# Altium PCB DK TT.PcbDoc
Units mil, origin at the board's own origin, x right, y up, seen from the top; angles counter-clockwise.
Board outline 3622.05 x 3425.2 mil, 2 copper layers (Top Layer, Bottom Layer); 114 components, 96 nets, 338 pads, 51 vias.
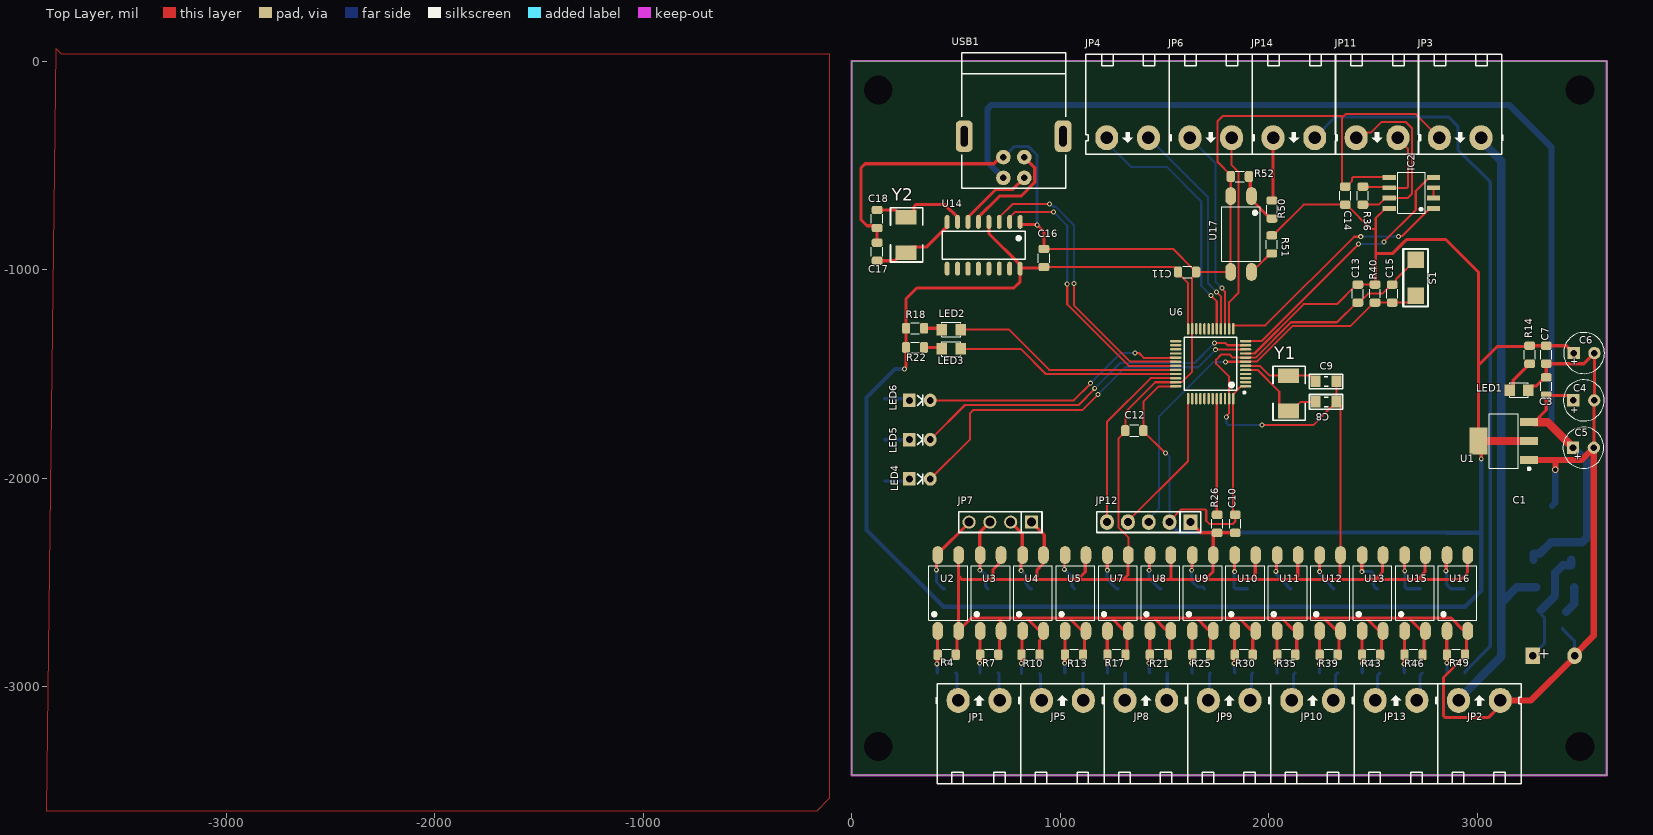
[diagram p0: Top Layer view]
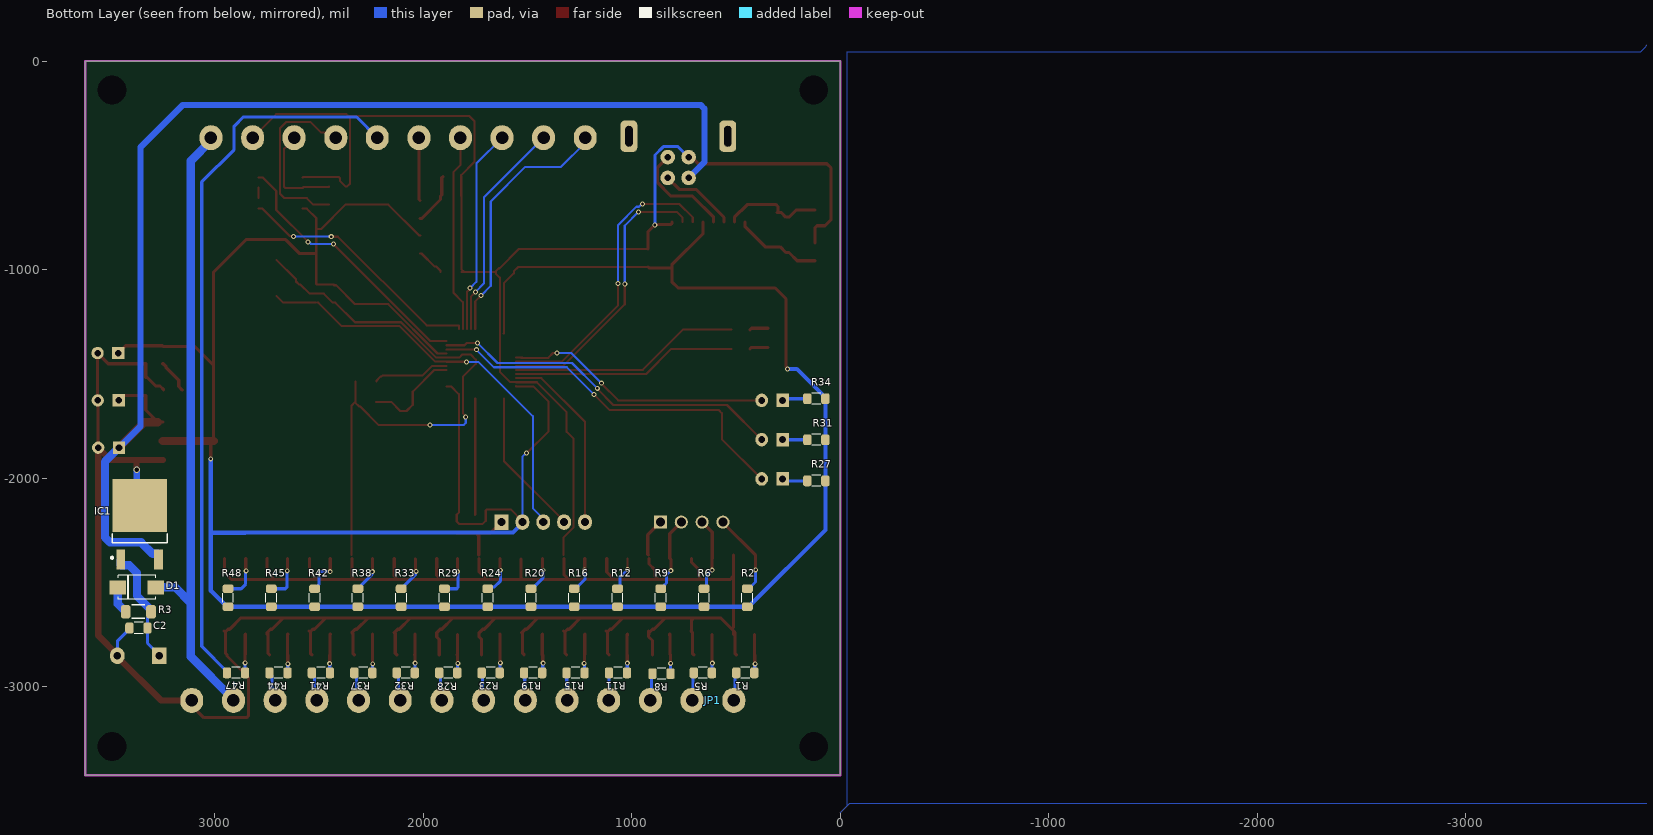
[diagram p1: Bottom Layer view, seen from below]
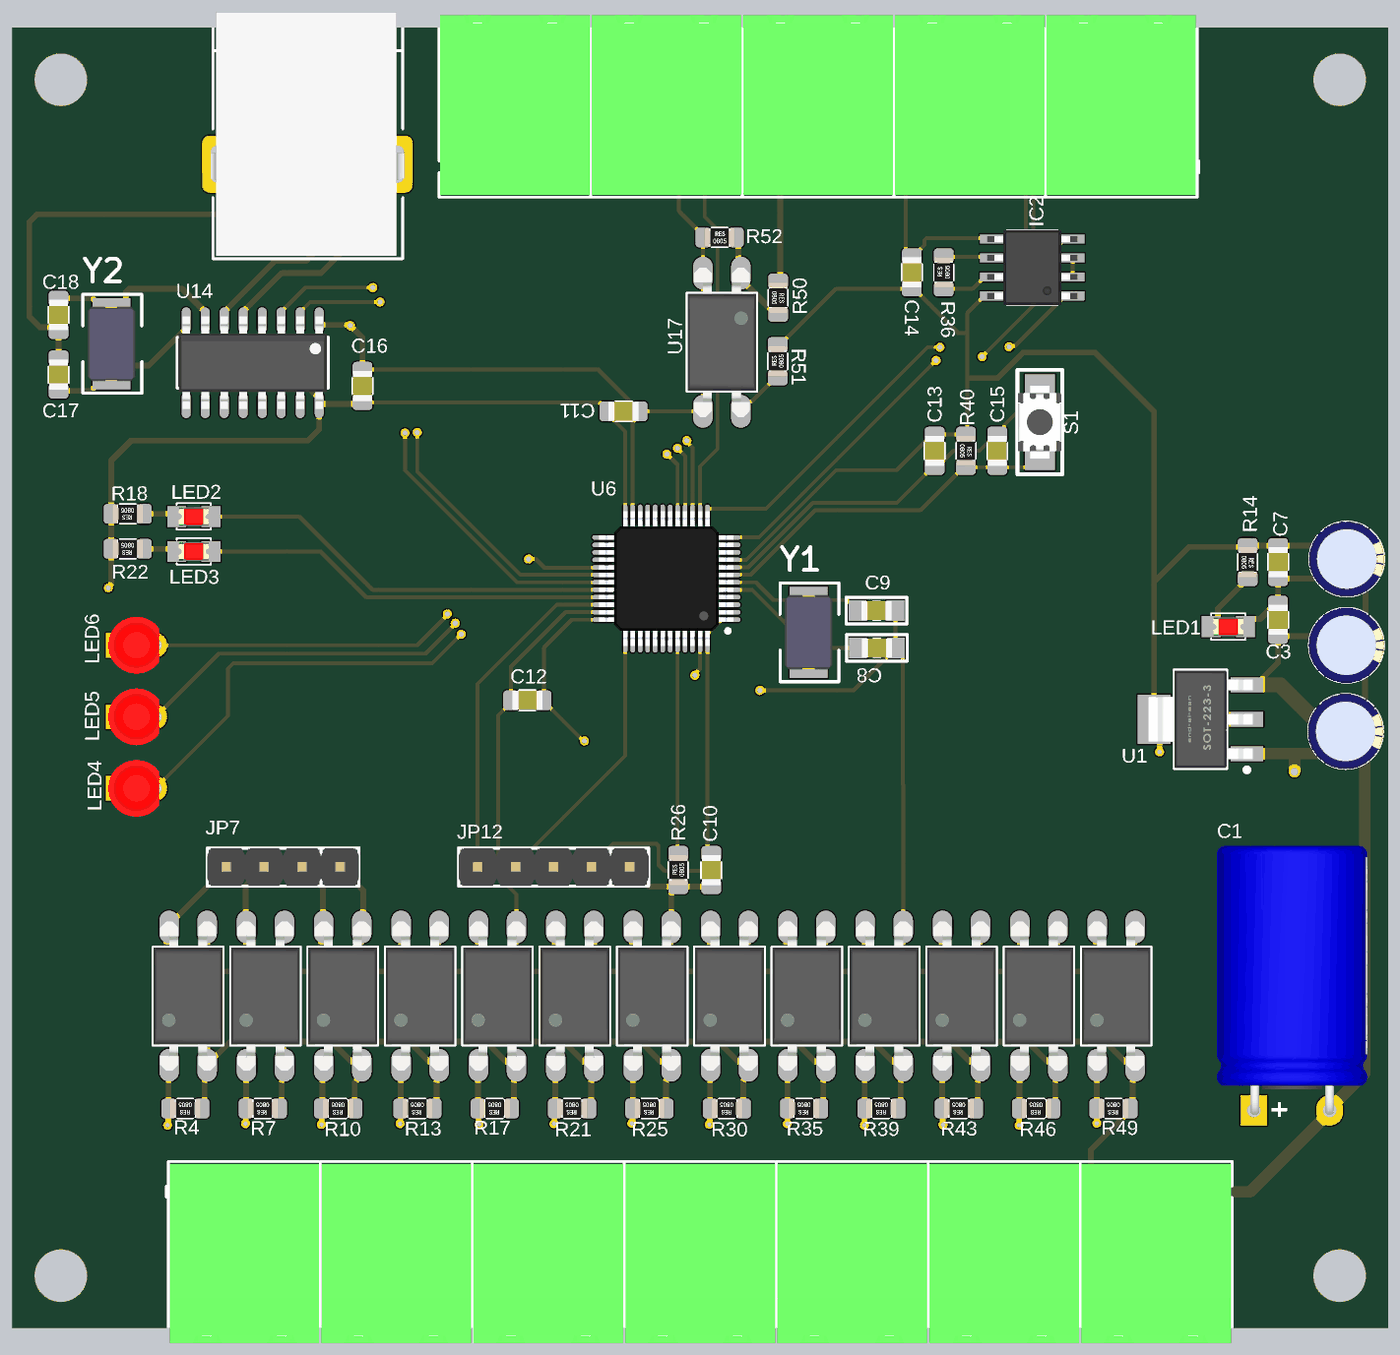
[diagram p2: 3D render of the assembled board from above, using the file's embedded part models]
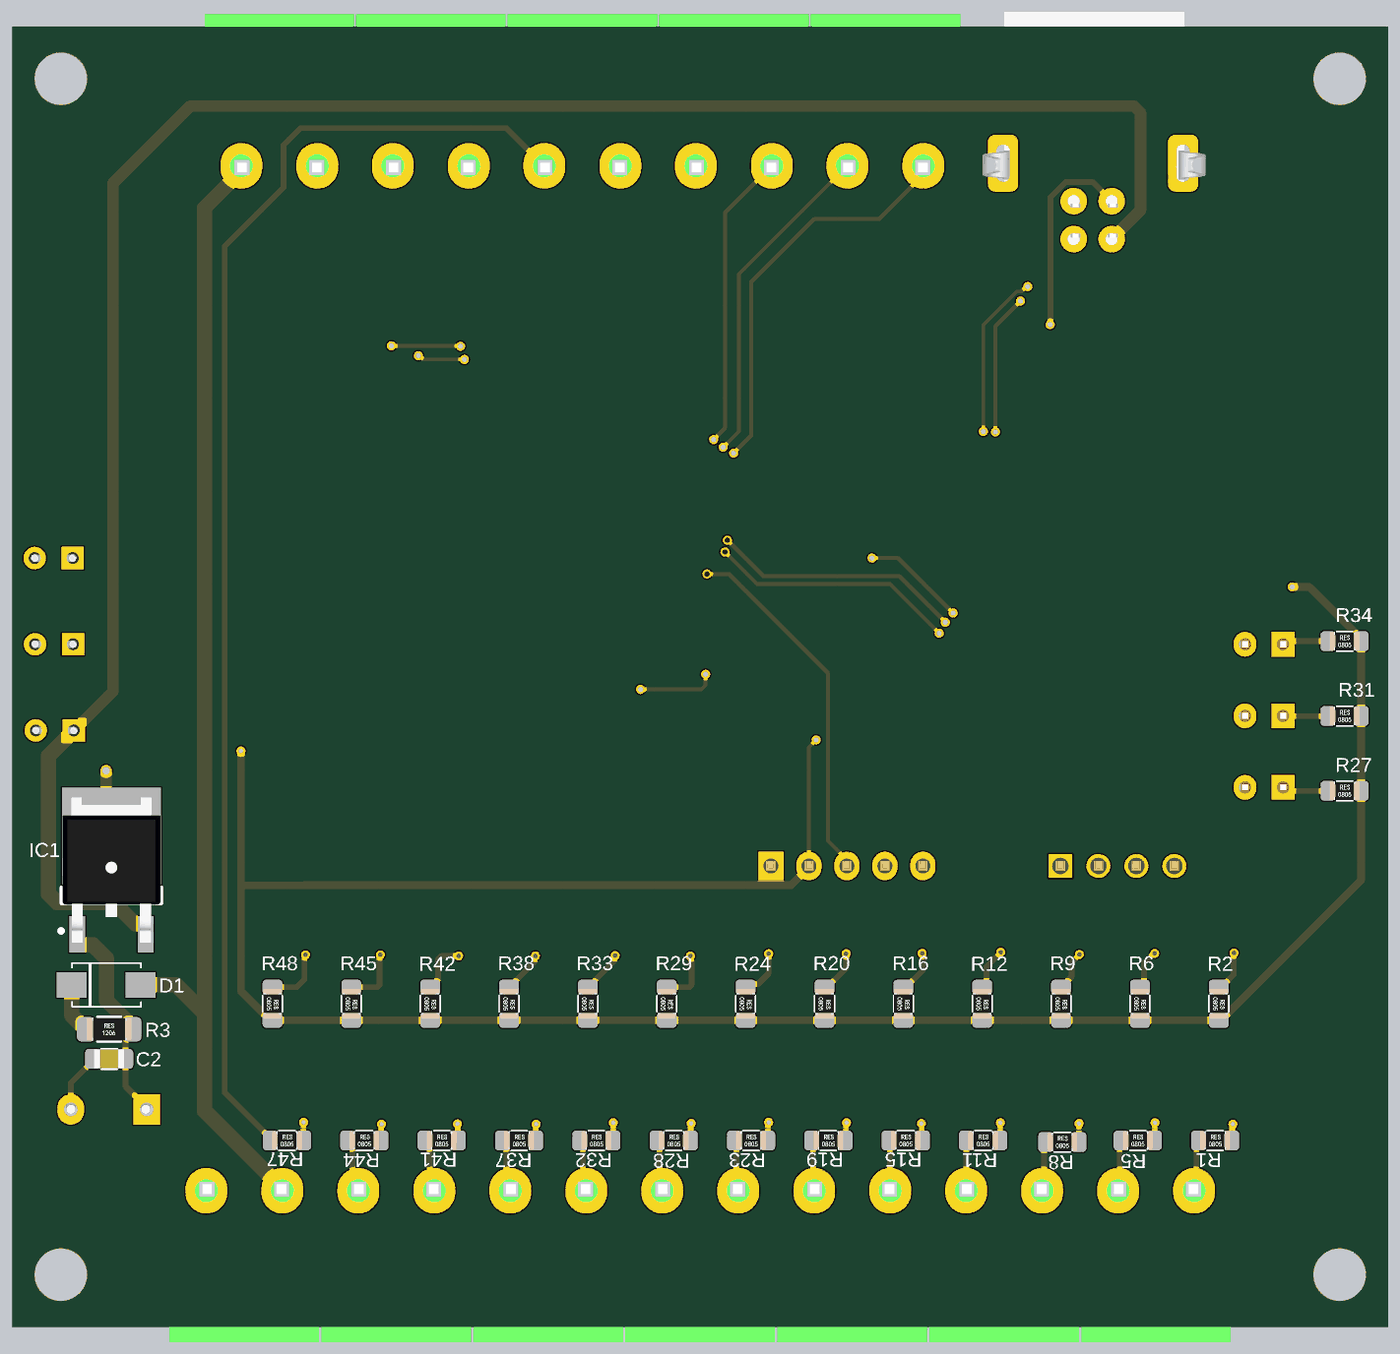
[diagram p3: 3D render of the assembled board from below, using the file's embedded part models]

## Layer stack, top to bottom
Top Solder: solder mask 0.4, Solder Resist, Dk 3.5
Top Layer: signal copper 1.4
Dielectric 1: dielectric 12.6, FR-4, Dk 4.8
Bottom Layer: signal copper 1.4
Bottom Solder: solder mask 0.4, Solder Resist, Dk 3.5

## Board outline
0,-3425.2 3622.05,-3425.2 3622.05,0 0,0

## Design rules (kind name [scope] priority, off if disabled: settings)
Clearance KXTJ3-1057 [All vs HasFootprint('KIONIX_KXTJ3-1057')] p1: gap=5 ignorepadtopadclearanceinfootprint=FALSE
Clearance [All] p2: gap=7.87 ignorepadtopadclearanceinfootprint=FALSE
HoleSize [All] p1: absolutevalues=TRUE maxlimit=100 minlimit=19.68 maxpercent=80.000 minpercent=20.000
MinimumSolderMaskSliver [All] p1: minsoldermaskwidth=0
PlaneConnect [All] p1: planeconnectstyle=Relief reliefexpansion=20 reliefentries=4 reliefconductorwidth=20 reliefairgap=10
PolygonConnect [All] p1: thpad.connectstyle=Relief thpad.reliefconductorwidth=20 thpad.reliefentries=4 thpad.polygonreliefangle="90 Angle" thpad.airgapwidth=10 smdpad.connectstyle=Direct smdpad.reliefconductorwidth=10 smdpad.reliefentries=4 smdpad.polygonreliefangle="90 Angle" smdpad.airgapwidth=10 via.connectstyle=Direct via.reliefconductorwidth=10 via.reliefentries=4 via.polygonreliefangle="90 Angle" via.airgapwidth=10
RoutingVias [All] p1: holewidth=11.81 width=19.68 viastyle="Through Hole" minholewidth=11.81 minwidth=19.68 maxholewidth=30 maxwidth=40
SilkToSilkClearance [All] p1: silktosilkclearance=0
SilkToSolderMaskClearance SilkscreenOverComponentPads [IsPad] p1: minsilkscreentomaskgap=0 clearancetoexposedcopper=TRUE
SolderMaskExpansion [All] p1: expansion=4 istentingtop=FALSE
UnRoutedNet [All] p1: checkbadconnections=TRUE
Width [All] p1: maxlimit=60 minlimit=10 preferedwidth=15
24 further rules are at their usual default settings.

## Components (designator, comment, footprint, x,y, rotation, side; value= is the part's Value field where it differs from the comment)
C1 "470uF/25V" "CP_1000UF/25V_NAM - cao" 3368,-2852 r90 top value=470uF
C2 "10uF" C-0805 3367,-2719 r180 bottom value=103
C3 "10uF" C-0805 3332,-1560 r270 top value=103
C4 "220uF/16V" CA-ALU-5L 3512,-1627 r0 top value=100uF/35V/50V
C5 "220uF/16V" CA-ALU-5L 3510,-1854 r0 top value=100uF/35V/50V
C6 "220uF/16V" CA-ALU-5L 3513,-1400 r0 top value=100uF/35V/50V
C7 "10uF" C-0805 3332,-1408 r90 top value=103
C8 "22pF" CAP_0805 2276,-1633 r0 top value=33p
C9 "22pF" CAP_0805 2275,-1535 r0 top value=33p
C10 "100nF" C-0805 1840,-2219 r270 top value=103
C11 "100nF" C-0805 1609,-1011 r0 top value=103
C12 "100nF" C-0805 1356,-1772 r180 top value=103
C13 "100nF" C-0805 2428,-1114.87 r270 top value=103
C14 "100nF" C-0805 2368,-645 r90 top
C15 "100nF" C-0805 2593,-1114.87 r270 top value=103
C16 "100nF" C-0805 922,-944 r270 top
C17 "22pF" C-0805 122,-914 r270 top
C18 "22pF" C-0805 122,-757 r90 top
D1 "M7" SMA11 3375,-2524 r0 bottom value=1N4007
IC1 "LM7805" "TO-252 7805" 3361,-2252 r90 bottom
IC2 "MAX3485" SOIC-8 2685,-632 r180 top
JP1 "JP2" KF2-5.08T 511.02,-3066.2 r0 bottom value="Connector 2"
JP2 "JP2" KF2-5.08T 2911.02,-3066.2 r0 top value="Connector 2"
JP3 "JP2" KF2-5.08T 3019,-367.02 r180 top value="Connector 2"
JP4 "JP2" KF2-5.08T 1423.7,-367.02 r180 top value="Connector 2"
JP5 "JP2" KF2-5.08T 911.02,-3066.2 r0 top value="Connector 2"
JP6 "JP2" KF2-5.08T 1822.53,-367.02 r180 top value="Connector 2"
JP7 "JP 1x4 2.54" "JP 1x4 DT" 863,-2211 r180 top
JP8 "JP2" KF2-5.08T 1311.02,-3066.2 r0 top value="Connector 2"
JP9 "JP2" KF2-5.08T 1711.02,-3066.2 r0 top value="Connector 2"
JP10 "JP2" KF2-5.08T 2111.02,-3066.2 r0 top value="Connector 2"
JP11 "JP2" KF2-5.08T 2620.18,-367.02 r180 top value="Connector 2"
JP12 "JP5" JP5-D1T 1425,-2211 r180 top value="Connector 5"
JP13 "JP2" KF2-5.08T 2511.02,-3066.2 r0 top value="Connector 2"
JP14 "JP2" KF2-5.08T 2221.35,-367.02 r180 top value="Connector 2"
LED1 "LED" LED-0805-Red 3156,-1578 r0 top value="LED 3 ly Single Colour"
LED2 "LED" LED-0805-Red 433,-1288 r0 top value="LED 3 ly Single Colour"
LED3 "LED" LED-0805-Red 433,-1380 r0 top value="LED 3 ly Single Colour"
LED4 "LED" LED-3 327,-2004 r0 top value="LED 3 ly Single Colour"
LED5 "LED" LED-3 327,-1815.5 r0 top value="LED 3 ly Single Colour"
LED6 "LED" LED-3 327,-1627 r0 top value="LED 3 ly Single Colour"
R1 "4.7K" R-0805 455.81,-2934 r180 bottom value="R1/4W - 1K"
R2 "4.7K" R-0805 446,-2573.69 r270 bottom value="R1/4W - 1K"
R3 "10R" R-1206 3367,-2641 r180 bottom value="R1/4W - 1K"
R4 "10K" R-0805 455.81,-2847 r180 top value="R1/4W - 1K"
R5 "4.7K" R-0805 659.39,-2934 r180 bottom value="R1/4W - 1K"
R6 "4.7K" R-0805 653.58,-2573.69 r270 bottom value="R1/4W - 1K"
R7 "10K" R-0805 659.39,-2847 r180 top value="R1/4W - 1K"
R8 "4.7K" R-0805 858,-2938 r180 bottom value="R1/4W - 1K"
R9 "4.7K" R-0805 861.17,-2573.69 r270 bottom value="R1/4W - 1K"
R10 "10K" R-0805 858,-2847 r180 top value="R1/4W - 1K"
R11 "4.7K" R-0805 1066.56,-2934 r180 bottom value="R1/4W - 1K"
R12 "4.7K" R-0805 1068.75,-2573.69 r270 bottom value="R1/4W - 1K"
R13 "10K" R-0805 1066.56,-2847 r180 top value="R1/4W - 1K"
R14 "1K" R-0805 3252,-1408 r270 top value="R1/4W - 1K"
R15 "4.7K" R-0805 1270.14,-2934 r180 bottom value="R1/4W - 1K"
R16 "4.7K" R-0805 1276.33,-2573.69 r270 bottom value="R1/4W - 1K"
R17 "10K" R-0805 1270.14,-2847 r180 top value="R1/4W - 1K"
R18 "1K" R-0805 304,-1281 r180 top value="R1/4W - 1K"
R19 "4.7K" R-0805 1473.72,-2934 r180 bottom value="R1/4W - 1K"
R20 "4.7K" R-0805 1483.92,-2573.69 r270 bottom value="R1/4W - 1K"
R21 "10K" R-0805 1473.72,-2847 r180 top value="R1/4W - 1K"
R22 "1K" R-0805 304,-1373 r180 top value="R1/4W - 1K"
R23 "4.7K" R-0805 1677.31,-2934 r180 bottom value="R1/4W - 1K"
R24 "4.7K" R-0805 1691.5,-2573.69 r270 bottom value="R1/4W - 1K"
R25 "10K" R-0805 1677.31,-2847 r180 top value="R1/4W - 1K"
R26 "10k" R-0805 1753,-2219 r90 top value="R1/4W - 1K"
R27 "1K" R-0805 115,-2013 r180 bottom value="R1/4W - 1K"
R28 "4.7K" R-0805 1880.89,-2934 r180 bottom value="R1/4W - 1K"
R29 "4.7K" R-0805 1899.08,-2573.69 r270 bottom value="R1/4W - 1K"
R30 "10K" R-0805 1880.89,-2847 r180 top value="R1/4W - 1K"
R31 "1K" R-0805 115,-1816 r180 bottom value="R1/4W - 1K"
R32 "4.7K" R-0805 2084.47,-2934 r180 bottom value="R1/4W - 1K"
R33 "4.7K" R-0805 2106.67,-2573.69 r270 bottom value="R1/4W - 1K"
R34 "1K" R-0805 115,-1619 r180 bottom value="R1/4W - 1K"
R35 "10K" R-0805 2084.47,-2847 r180 top value="R1/4W - 1K"
R36 "120R" R-0805 2452,-645 r90 top value="R1/4W - 1K"
R37 "4.7K" R-0805 2288.06,-2934 r180 bottom value="R1/4W - 1K"
R38 "4.7K" R-0805 2314.25,-2573.69 r270 bottom value="R1/4W - 1K"
R39 "10K" R-0805 2288.06,-2847 r180 top value="R1/4W - 1K"
R40 "10K" R-0805 2510.5,-1114.87 r270 top value="R1/4W - 1K"
R41 "4.7K" R-0805 2491.64,-2934 r180 bottom value="R1/4W - 1K"
R42 "4.7K" R-0805 2521.83,-2573.69 r270 bottom value="R1/4W - 1K"
R43 "10K" R-0805 2491.64,-2847 r180 top value="R1/4W - 1K"
R44 "4.7K" R-0805 2695.22,-2934 r180 bottom value="R1/4W - 1K"
R45 "4.7K" R-0805 2729.42,-2573.69 r270 bottom value="R1/4W - 1K"
R46 "10K" R-0805 2695.22,-2847 r180 top value="R1/4W - 1K"
R47 "4.7K" R-0805 2898.81,-2934 r180 bottom value="R1/4W - 1K"
R48 "4.7K" R-0805 2937,-2573.69 r270 bottom value="R1/4W - 1K"
R49 "10K" R-0805 2898.81,-2847 r180 top value="R1/4W - 1K"
R50 "4.7K" R-0805 2016,-711.69 r270 top value="R1/4W - 1K"
R51 "4.7K" R-0805 2015,-879 r90 top value="R1/4W - 1K"
R52 "10K" R-0805 1862,-553 r0 top value="R1/4W - 1K"
S1 "SW-SMD" "SW 3x2x4" 2705,-1039.39 r90 top
U1 "LM1117-3.3V" SOT223-4N 3128,-1822 r180 top
U2 "EL3H7" "DIP4/W0.3 - SMD" 463,-2551 r0 top value=PC817
U3 "EL3H7" "DIP4/W0.3 - SMD" 666.58,-2551 r0 top value=PC817
U4 "EL3H7" "DIP4/W0.3 - SMD" 870,-2551 r0 top value=PC817
U5 "EL3H7" "DIP4/W0.3 - SMD" 1073.75,-2551 r0 top value=PC817
U6 "STM32F103C8T6" LQFP48_L 1721.9,-1451.32 r90 top
U7 "EL3H7" "DIP4/W0.3 - SMD" 1277.33,-2551 r0 top value=PC817
U8 "EL3H7" "DIP4/W0.3 - SMD" 1480.92,-2551 r0 top value=PC817
U9 "EL3H7" "DIP4/W0.3 - SMD" 1684.5,-2551 r0 top value=PC817
U10 "EL3H7" "DIP4/W0.3 - SMD" 1888.08,-2551 r0 top value=PC817
U11 "EL3H7" "DIP4/W0.3 - SMD" 2091.67,-2551 r0 top value=PC817
U12 "EL3H7" "DIP4/W0.3 - SMD" 2295.25,-2551 r0 top value=PC817
U13 "EL3H7" "DIP4/W0.3 - SMD" 2498.83,-2551 r0 top value=PC817
U14 "CH340G" SOIC-16 633,-883 r270 top
U15 "EL3H7" "DIP4/W0.3 - SMD" 2702.42,-2551 r0 top value=PC817
U16 "EL3H7" "DIP4/W0.3 - SMD" 2906,-2551 r0 top value=PC817
U17 "EL3H7" "DIP4/W0.3 - SMD" 1868,-829 r180 top value=PC817
USB1 "USB-B" USB-B 777,-460 r180 top
Y1 "8Mhz" "Thach Anh 2 chan SMD5032" 2096,-1593 r270 top value=4Mhz
Y2 "12Mhz" "Thach Anh 2 chan SMD5032" 261,-833 r270 top value=4Mhz

## Footprints (in the part's own frame and the unit in brackets; to place one, negate y for a bottom-side part, rotate by r counter-clockwise, add the part's x,y. Pads: shape width x height; smd on the part's side, far side on the other; paste and mask are expansions set on the pad)
C-0805 [mil] "Compoment SMD 80x50mil"
  rrect50% 40x52 smd: 1(-43.31,0) 2(43.31,0)
  silkscreen extent -21,-27 22,27, body extent -40,-25 40,25, height 24
CA-ALU-5L [mm] "Polarized capacitors, Aluminum Electrolytic Capacitors, 2-Leads, Body 5x11x2x0.5"
  rect 1.5x1.5 hole 0.8: 1(-1.27,0)
  round 1.5 hole 0.8: 2(1.27,0)
  silkscreen extent -2.5,-2.5 2.5,2.5, body extent -2.54,-2.54 2.54,2.54, height 13.9
CAP_0805 [mm]
  rect 1.2x1.4 smd: 1(-1.27,-0.025) 2(1.27,-0.025)
  silkscreen extent -2.03,-0.91 2.03,0.86, body extent -1.01,-0.66 1.01,0.61, height 0.61
"CP_1000UF/25V_NAM - cao" [mil]
  rect 80x70 hole 36: 1(0,100)
  oval 80x70 hole 36: 2(0,-100)
  body extent -12,-199 697,197, height 458
"DIP4/W0.3 - SMD" [mil] "4 PIN, W 300mil, Pin to pin 100mil"
  oval 51.18x86 smd paste+0 mask+4: 1(-50,-182)
  oval 51.18x86 smd: 2(50,-182) 3(50,182) 4(-50,182)
  silkscreen extent -93,-130 93,130, body extent -90,-197 90,197, height 152
JP5-D1T [mil] "5 pins, 1 row, straight, gold plating"
  rect 66x75 hole 39.37: 1(-200,0)
  oval 66x75 hole 39.37: 2(-100,0) 3(0,0) 4(100,0) 5(200,0)
  silkscreen extent -250,-50 250,50, body extent -250,-50 250,50, height 336
"JP 1x4 DT" [mm] "4 pins, 1 row, straight, gold plating"
  rect 1.6x1.6 hole 1.1: 1(0,0)
  round 1.6 hole 1.1: 2(2.54,0) 3(5.08,0) 4(7.62,0)
  silkscreen extent -1.27,-1.27 8.89,1.27, body extent -1.27,-1.27 8.89,1.27, height 8.54
KF2-5.08T [mil] "Header 2, 2 pin, hight 300mil, Pin to Pin 200, Colour Green"
  oval 110x120 hole 60: 1(0,0) 2(200,0)
  body extent -97,-73 297,399, height 334
LED-3 [mil] "LED 2 PIN, 3ly Only colour"
  rect 60x65 hole 33: 1(-50,0)
  oval 60x65 hole 33: 2(50,0)
  silkscreen extent -12,-26 13,26, body extent -75,-75 60,75, height 419
LED-0805-Red [mil]
  rect 50x55 smd: 1(0,0) 2(90,0)
  silkscreen extent 0,-35 90,35, body extent 5,-25 85,25, height 43
LQFP48_L [mm]
  oval 0.3x1.4 smd: 1(-2.75,-4.25) 2(-2.25,-4.25) 3(-1.75,-4.25) 4(-1.25,-4.25) 5(-0.75,-4.25) 6(-0.25,-4.25) 7(0.25,-4.25) 8(0.75,-4.25) 9(1.25,-4.25) 10(1.75,-4.25) 11(2.25,-4.25) 12(2.75,-4.25) 25(2.75,4.25) 26(2.25,4.25) 27(1.75,4.25) 28(1.25,4.25) 29(0.75,4.25) 30(0.25,4.25) 31(-0.25,4.25) 32(-0.75,4.25) 33(-1.25,4.25) 34(-1.75,4.25) 35(-2.25,4.25) 36(-2.75,4.25)
  oval 1.4x0.3 smd: 13(4.25,-2.75) 14(4.25,-2.25) 15(4.25,-1.75) 16(4.25,-1.25) 17(4.25,-0.75) 18(4.25,-0.25) 19(4.25,0.25) 20(4.25,0.75) 21(4.25,1.25) 22(4.25,1.75) 23(4.25,2.25) 24(4.25,2.75) 37(-4.25,2.75) 38(-4.25,2.25) 39(-4.25,1.75) 40(-4.25,1.25) 41(-4.25,0.75) 42(-4.25,0.25) 43(-4.25,-0.25) 44(-4.25,-0.75) 45(-4.25,-1.25) 46(-4.25,-1.75) 47(-4.25,-2.25) 48(-4.25,-2.75)
  silkscreen extent -3.63,-4.24 3.2,3.2, body extent -4.5,-4.5 4.5,4.5, height 1.5
R-0805 [mil] "Compoment SMD 80x50mil"
  rrect50% 40x52 smd: 1(-43.31,0) 2(43.31,0)
  silkscreen extent -21,-26 21,26, body extent -39,-25 39,25, height 22
R-1206 [mm] "Compoment SMD 120x60mil"
  rrect50% 1.2x1.62 smd: 1(-1.55,0) 2(1.55,0)
  silkscreen extent -0.79,-0.81 0.79,0.84, body extent -1.5,-0.77 1.51,0.78, height 0.55
SMA11 [mm] "SMAJ5.0A/CA,SMAJ24CA..."
  rect 2x1.7 smd: 1(-2.3,0) 2(2.3,0)
  silkscreen extent -2.33,-1.46 2.27,1.46, body extent -2.54,-1.46 2.54,1.46, height 2.62
SOIC-8 [mm] "SOIC, 8-Leads, Body 5,0x4,0mm (max), Pitch 1,27mm, IPC Medium Density"
  rect 1.6x0.6 smd: 1(-2.7,1.905) 2(-2.7,0.635) 3(-2.7,-0.635) 4(-2.7,-1.905) 5(2.7,-1.905) 6(2.7,-0.635) 7(2.7,0.635) 8(2.7,1.905)
  silkscreen extent -1.68,-2.5 1.68,2.5, body extent -3.02,-2.51 3.02,2.51, height 1.6
SOIC-16 [mm]
  oval 1.7x0.6 smd: 1(-2.85,4.445) 2(-2.85,3.175) 3(-2.85,1.905) 4(-2.85,0.635) 5(-2.85,-0.635) 6(-2.85,-1.905) 7(-2.85,-3.175) 8(-2.85,-4.445) 9(2.85,-4.445) 10(2.85,-3.175) 11(2.85,-1.905) 12(2.85,-0.635) 13(2.85,0.635) 14(2.85,1.905) 15(2.85,3.175) 16(2.85,4.445)
  silkscreen extent -1.7,-5.05 1.7,5.05, body extent -3.1,-4.95 3.1,4.95, height 1.7
SOT223-4N [mm] "SOT223, 4-Leads, Body 6.5x3.5mm, Pitch 2.3mm, Lead Span 7mm, IPC Medium Density"
  rect 2.2x1 smd: 1(-3.1,2.3) 2(-3.1,0) 3(-3.1,-2.3)
  rect 2.2x3.3 smd: 2(3.1,0)
  silkscreen extent -3.25,-3.33 1.78,3.53, body extent -3.5,-3.25 3.5,3.25, height 1.7
"SW 3x2x4" [mm]
  rect 2x2 smd: 1(-2.2,0) 2(2.2,0)
  silkscreen extent -3.5,-1.5 3.5,1.5, body extent -2.45,-1.45 2.45,1.45, height 2
"Thach Anh 2 chan SMD5032" [mil] "DO-214-AA/SMB; 2 C-Bend Leads; Body 5.3 x 3.6 mm, inc. leads (LxW)"
  rect 70x100 smd: 1(-85,0) 2(85,0)
  silkscreen extent -130,-75 130,80, body extent -98,-63 98,63, height 51
"TO-252 7805" [mil]
  rect 95x41.34 smd: 1(-138.92,90.16) 3(-138.92,-90.16)
  rect 255x260 smd: 2(120,0)
  silkscreen extent -135,-132 -15,137, body extent -160,-130 221,130, height 91
USB-B [mil]
  rrect50% 80x150 hole 35.43 slot 98.43 at 90 deg: 0(-237.01,-100) 0(237.01,-100)